# Altium PCB MainBoard_v1.PcbDoc (part 1 of 2) (continued)
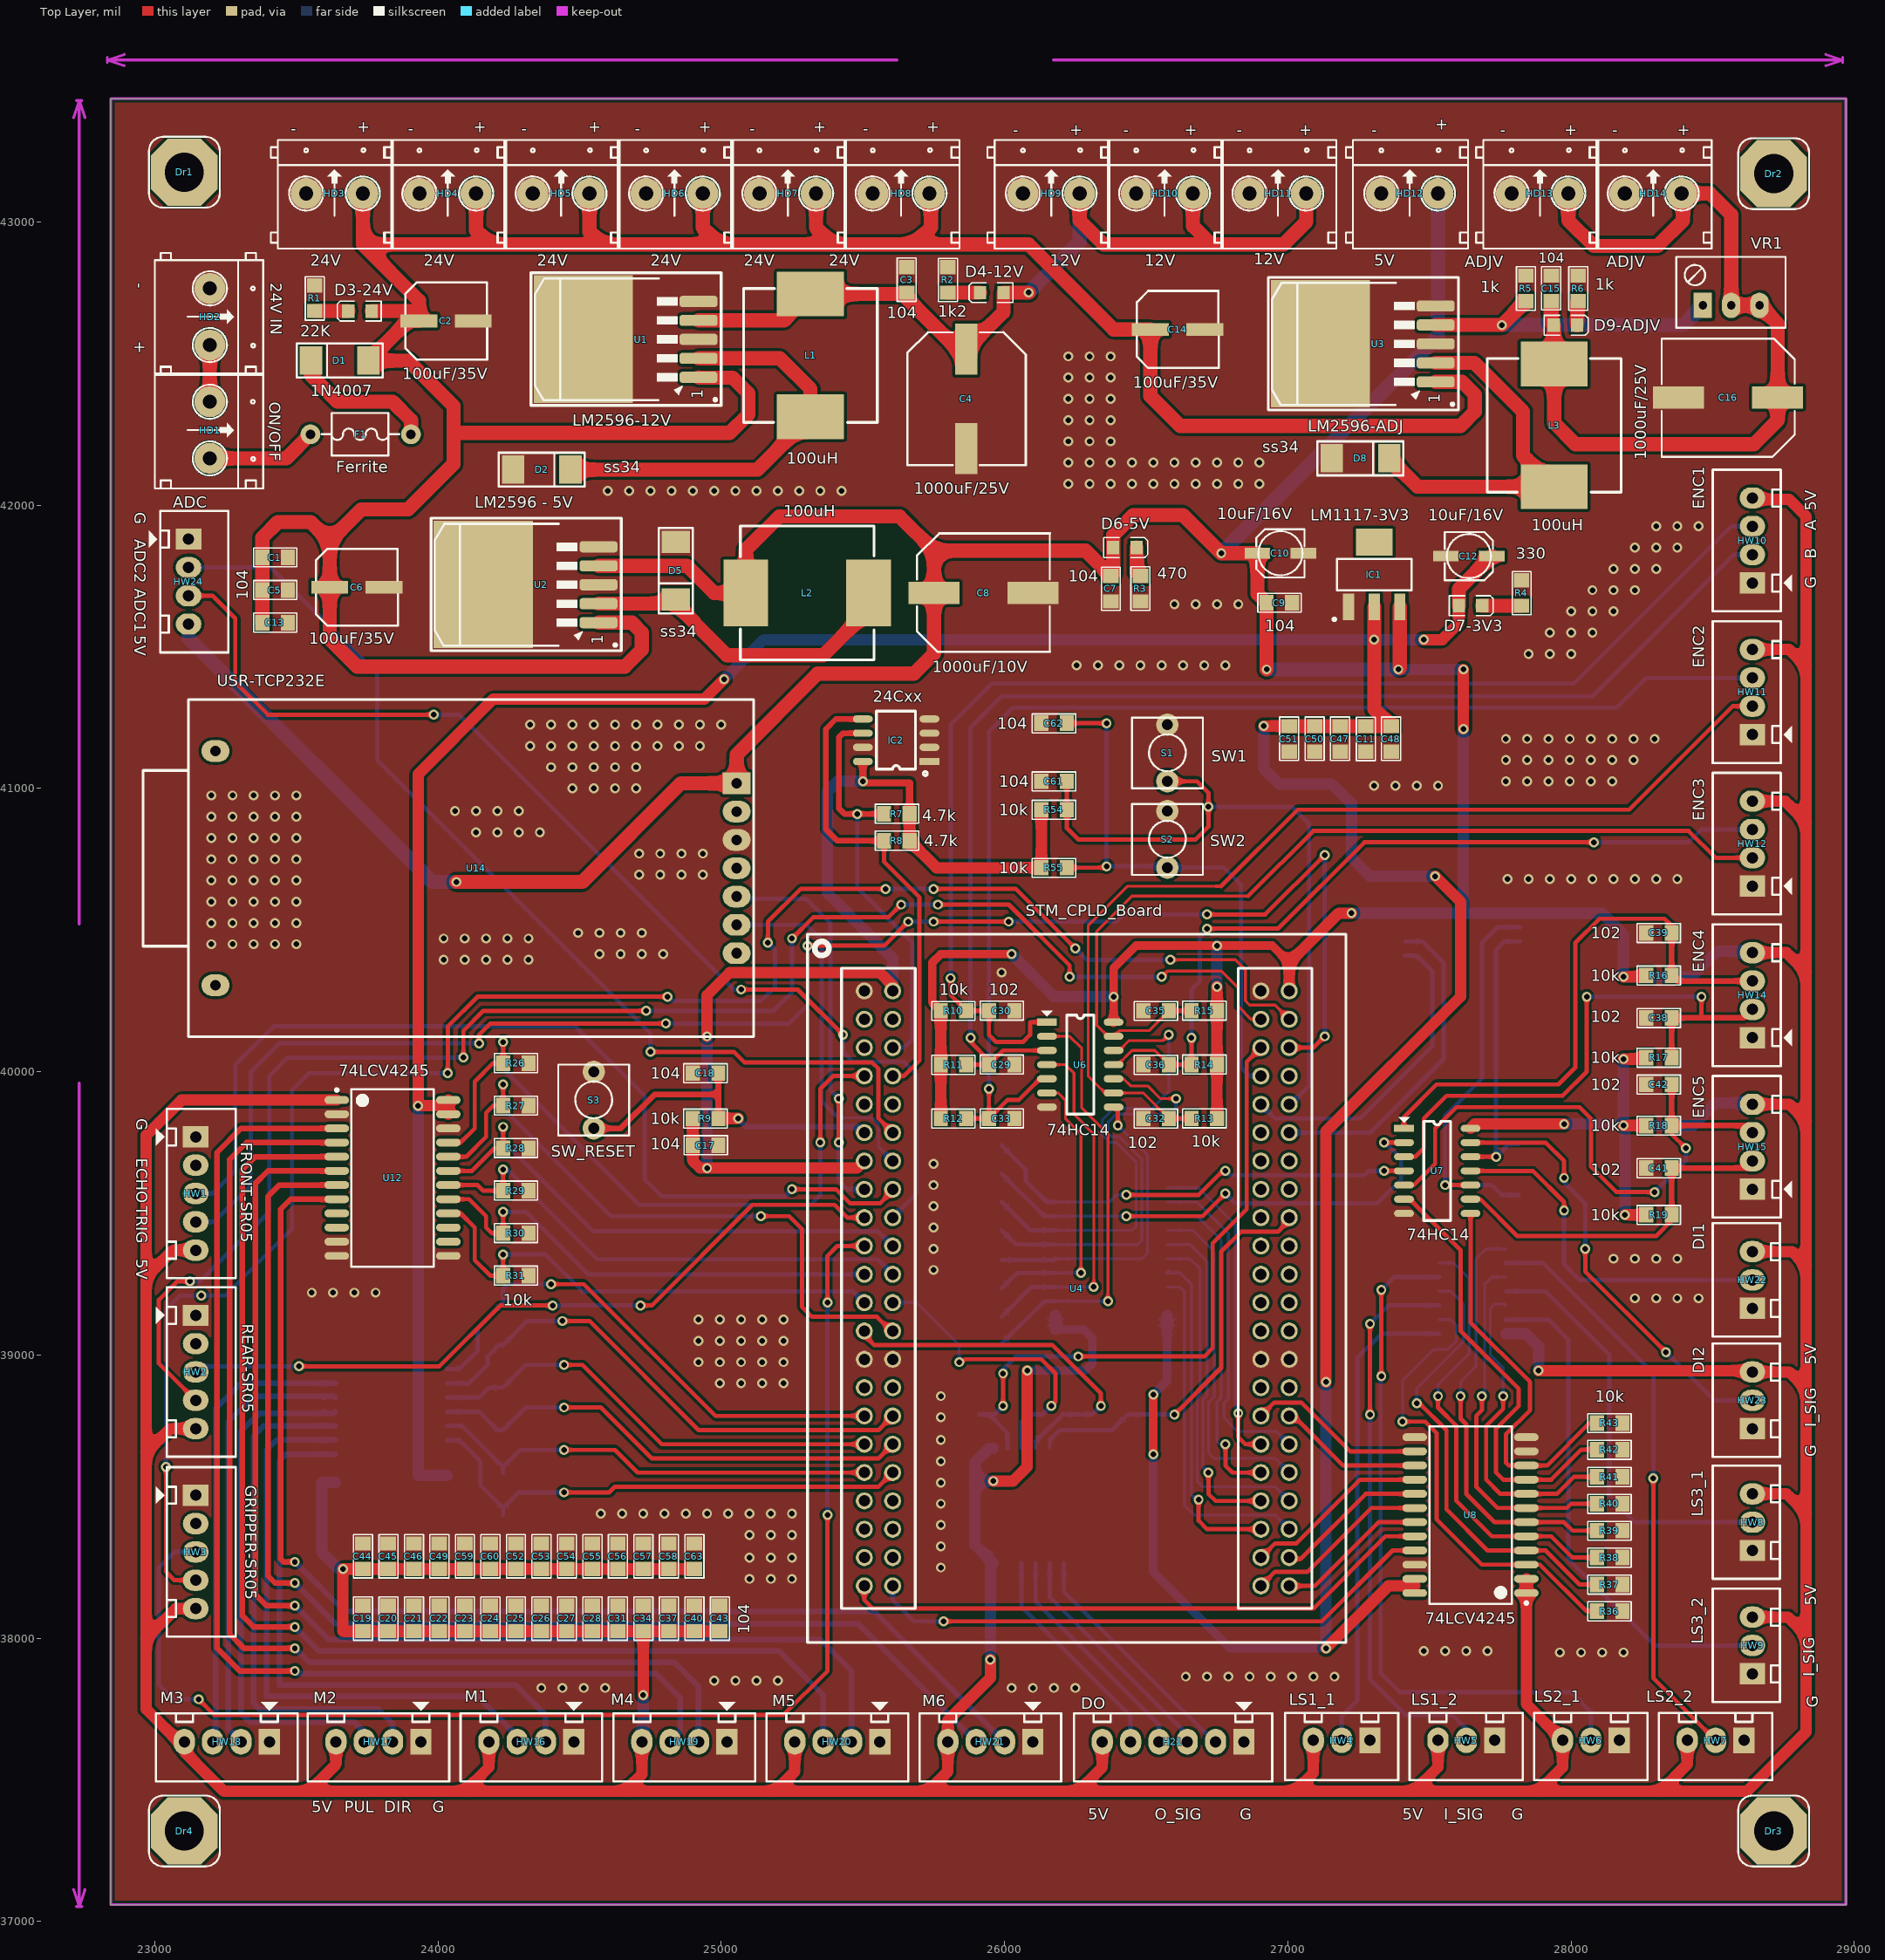
[diagram p0: Top Layer view]
## Components (designator, comment, footprint, x,y, rotation, side; value= is the part's Value field where it differs from the comment) (continued)
D9-ADJV "LED" LED_0805_Blue 27980,42635 r0 top (schematic designator D9)
Dr1 "Drill" "Drill 3mm" 23105,43175 r0 top
Dr2 "Drill" "Drill 3mm" 28715,43170 r0 top
Dr3 "Drill" "Drill 3mm" 28715,37320 r0 top
Dr4 "Drill" "Drill 3mm" 23105,37320 r0 top
F1 "Ferrite" Ferrite 23550,42250 r0 top
H21 "DO" "Header White 6" 26845,37635 r180 top value="Header white 6"
HD1 "ON/OFF" "Domino 2" 23195,42365 r270 top value="Domino 2"
HD2 "24V IN" "Domino 2" 23195,42765 r270 top value="Domino 2"
HD3 "24V" "Domino 2" 23535,43100 r0 top value="Domino 2"
HD4 "24V" "Domino 2" 23935,43100 r0 top value="Domino 2"
HD5 "24V" "Domino 2" 24335,43100 r0 top value="Domino 2"
HD6 "24V" "Domino 2" 24735,43100 r0 top value="Domino 2"
HD7 "24V" "Domino 2" 25135,43100 r0 top value="Domino 2"
HD8 "24V" "Domino 2" 25535,43100 r0 top value="Domino 2"
HD9 "12V" "Domino 2" 26065,43100 r0 top value="Domino 2"
HD10 "12V" "Domino 2" 26465,43100 r0 top value="Domino 2"
HD11 "12V" "Domino 2" 26865,43100 r0 top value="Domino 2"
HD12 "5V" "Domino 2" 27330,43100 r0 top value="Domino 2"
HD13 "ADJV" "Domino 2" 27790,43100 r0 top value="Domino 2"
HD14 "ADJV" "Domino 2" 28190,43100 r0 top value="Domino 2"
HW1 "FRONT-SR05" "Header White 5" 23145,39770 r270 top value="Header white 5"
HW2 "REAR-SR05" "Header White 5" 23145,39140 r270 top value="Header white 5"
HW3 "GRIPPER-SR05" "Header White 5" 23145,38505 r270 top value="Header white 5"
HW4 "LS1_1" "Header White 3" 27290,37640 r180 top value="Connector 3"
HW5 "LS1_2" "Header White 3" 27730,37640 r180 top value="Connector 3"
HW6 "LS2_1" "Header White 3" 28170,37640 r180 top value="Connector 3"
HW7 "LS2_2" "Header White 3" 28610,37640 r180 top value="Connector 3"
HW8 "LS3_1" "Header White 3" 28640,38310 r90 top value="Connector 3"
HW9 "LS3_2" "Header White 3" 28640,37875 r90 top value="Connector 3"
HW10 "ENC1" "Header White 4" 28640,41725 r90 top value="Header white 4"
HW11 "ENC2" "Header White 4" 28640,41190 r90 top value="Header white 4"
HW12 "ENC3" "Header White 4" 28640,40655 r90 top value="Header white 4"
HW14 "ENC4" "Header White 4" 28640,40120 r90 top value="Header white 4"
HW15 "ENC5" "Header White 4" 28640,39585 r90 top value="Header white 4"
HW16 "M1" "Header White 4" 24480,37635 r180 top value="Header white 4"
HW17 "M2" "Header White 4" 23940,37635 r180 top value="Header white 4"
HW18 "M3" "Header White 4" 23405,37635 r180 top value="Header white 4"
HW19 "M4" "Header White 4" 25020,37635 r180 top value="Header white 4"
HW20 "M5" "Header White 4" 25560,37635 r180 top value="Header white 4"
HW21 "M6" "Header White 4" 26100,37635 r180 top value="Header white 4"
HW22 "DI1" "Header White 3" 28640,39165 r90 top value="Connector 3"
HW23 "DI2" "Header White 3" 28640,38740 r90 top value="Connector 3"
HW24 "ADC" "Header White 4" 23120,41880 r270 top value="Header white 4"
IC1 "LM1117-3V3" SOT223-4N 27305,41755 r90 top value=LM317
IC2 "24Cxx" SOIC8 25735,41095 r180 top
L1 "100uH" INDUCTOR_SMD 25315,42311.93 r90 top value="150 mH"
L2 "100uH" INDUCTOR_SMD 25520,41690 r180 top value="150 mH"
L3 "100uH" INDUCTOR_SMD 27940,42065 r90 top value="150 mH"
R1 "22K" RES-SM-0805 23565,42685 r90 top
R2 "1k2" RES-SM-0805 25800,42750 r90 top
R3 "470" RES-SM-0805 26480,41750 r270 top
R4 "330" RES-SM-0805 27825,41645 r90 top
R5 "1k" RES-SM-0805 27840,42720 r90 top
R6 "1k" RES-SM-0805 28025,42720 r90 top
R7 "4.7k" RES-SM-0805 25665,40910 r180 top
R8 "4.7k" RES-SM-0805 25665,40815 r180 top
R9 "10k" RES-SM-0805 24900,39835 r0 top
R10 "10k" RES-SM-0805 25775,40215 r0 top
R11 "10k" RES-SM-0805 25775,40025 r0 top
R12 "10k" RES-SM-0805 25775,39835 r0 top
R13 "10k" RES-SM-0805 26750,39835 r180 top
R14 "10k" RES-SM-0805 26750,40025 r180 top
R15 "10k" RES-SM-0805 26750,40215 r180 top
R16 "10k" RES-SM-0805 28265,40340 r0 top
R17 "10k" RES-SM-0805 28265,40050 r0 top
R18 "10k" RES-SM-0805 28265,39810 r0 top
R19 "10k" RES-SM-0805 28265,39495 r0 top
R20 "10k" RES-SM-0805 24320,38435 r180 bottom
R21 "10k" RES-SM-0805 24320,38585 r180 bottom
R22 "10k" RES-SM-0805 24320,38735 r180 bottom
R23 "10k" RES-SM-0805 24320,38885 r180 bottom
R24 "10k" RES-SM-0805 24320,39035 r180 bottom
R25 "10k" RES-SM-0805 24320,39185 r180 bottom
R26 "10k" RES-SM-0805 24320,40030 r180 top
R27 "10k" RES-SM-0805 24320,39880 r180 top
R28 "10k" RES-SM-0805 24320,39730 r180 top
R29 "10k" RES-SM-0805 24320,39580 r180 top
R30 "10k" RES-SM-0805 24320,39430 r180 top
R31 "10k" RES-SM-0805 24320,39280 r180 top
R32 "10k" RES-SM-0805 25910,38790 r90 bottom
R33 "10k" RES-SM-0805 26085,38790 r90 bottom
R34 "10k" RES-SM-0805 26260,38790 r90 bottom
R35 "10k" RES-SM-0805 26435,38790 r90 bottom
R36 "10k" RES-SM-0805 28091,38096 r0 top
R37 "10k" RES-SM-0805 28091,38190 r0 top
R38 "10k" RES-SM-0805 28091,38285 r0 top
R39 "10k" RES-SM-0805 28091,38380 r0 top
R40 "10k" RES-SM-0805 28091,38475 r0 top
R41 "10k" RES-SM-0805 28091,38570 r0 top
R42 "10k" RES-SM-0805 28091,38666 r0 top
R43 "10k" RES-SM-0805 28091,38760 r0 top
R44 "10k" RES-SM-0805 25990,39040 r180 bottom
R45 "10k" RES-SM-0805 25990,39135 r180 bottom
R46 "10k" RES-SM-0805 25990,39235 r180 bottom
R47 "10k" RES-SM-0805 25990,39335 r180 bottom
R48 "10k" RES-SM-0805 25990,39440 r180 bottom
R49 "10k" RES-SM-0805 25990,39540 r180 bottom
R50 "10k" RES-SM-0805 25990,39640 r180 bottom
R51 "10k" RES-SM-0805 25990,39740 r180 bottom
R52 "10k" RES-SM-0805 27815,39565 r0 bottom
R53 "10k" RES-SM-0805 27815,39745 r0 bottom
R54 "10k" RES-SM-0805 26130,40925 r0 top
R55 "10k" RES-SM-0805 26130,40720 r0 top
S1 "SW1" SW2 26575,41225 r270 top
S2 "SW2" SW2 26575,40920 r270 top
S3 "SW_RESET" SW2 24550,40000 r270 top
U1 "LM2596-12V" TO263 24920,42451.14 r90 top
U2 "LM2596 - 5V" TO263 24567,41585 r90 top
U3 "LM2596-ADJ" TO263 27522,42435 r90 top
U4 "STM_CPLD_Board" STM_CPLD_Board 25505,40285 r0 top
U5 "74HC14" SOIC14 27535,39075 r0 bottom
U6 "74HC14" SOIC14 26150,40175 r0 top
U7 "74HC14" SOIC14 27410,39800 r0 top
U8 "74LCV4245" "SOIC24 - wide" 27645,38435 r180 top
U9 "74LCV4245" "SOIC24 - wide" 26376.85,39365 r0 bottom
U10 "74HCT245" soic20 27820,40560 r180 bottom
U11 "74LCV4245" "SOIC24 - wide" 23835,38825 r0 bottom
U12 "74LCV4245" "SOIC24 - wide" 23840,39625 r0 top
U13 "74HCT245" soic20 25960,38670 r270 bottom
U14 "USR-TCP232E" USR-TCP232E 25054.37,41018.39 r270 top
VR1 "10K" VR1 28465,42705 r0 top value="VR 10K"

## Footprints (in the part's own frame and the unit in brackets; to place one, negate y for a bottom-side part, rotate by r counter-clockwise, add the part's x,y. Pads: shape width x height; smd on the part's side, far side on the other; paste and mask are expansions set on the pad)
CAP-SM-0805 [mil]
  rect 50x55 smd: 1(0,0) 2(90,0)
  silkscreen extent -32,-34 121,33, body extent 6,-18 84,17, height 47
CAP_ALU_B [mil] "10uF -> 22uF"
  rect 90x38 smd: 1(0,0) 2(162,0)
  silkscreen extent -4,-85 166,85, body extent -10,-85 172,85, height 213
Cap_Alu_D8 [mil] "100uF -> 220uF"
  rect 130x45 smd: 1(34,0) 2(226,0)
  silkscreen extent -14,-136 275,136, body extent -8,-130 268,130, height 303
Cap_Alu_G [mil]
  rect 180x78 smd: 1(334,0) 2(-16,0)
  silkscreen extent -75,-210 394,208, body extent -68,-204 388,202, height 402
DO-214AB [mm]
  rect 2x2.54 smd: 1(-2.616,0.127) 2(2.54,0.127)
  silkscreen extent -3.89,-1.4 3.81,1.65, body extent -2.62,-1.27 2.87,1.52, height 2.36
"Domino 2" [mil] "Domino 2, 2 pin, hight 300mil, Pin to Pin 200, Colour Green"
  round 110 hole 50: 1(0,0) 2(200,0)
  silkscreen extent -125,-195 306,189, body extent -121,-190 301,184, height 591
"Drill 3mm" [mm]
  oct 6x6 hole 3.5: 1(0,0)
  silkscreen extent -3.17,-3.17 3.17,3.17
Ferrite [mil] "Ferrite Bead RH3.5x6x0.8"
  round 70 hole 33.46: 1(0,0) 2(355,0)
  silkscreen extent 39,-75 314,75, body extent -12,-71 368,71, height 150
"Header White 3" [mil] "JST Connector"
  rect 75x90 hole 40: 1(0,0)
  oval 75x90 hole 40: 2(100,0) 3(200,0)
  silkscreen extent -100,-97 300,140, body extent -95,-93 295,134, height 276
"Header White 4" [mil] "JST Connector"
  rect 75x90 hole 40: 1(0,0)
  oval 75x90 hole 40: 2(100,0) 3(200,0) 4(300,0)
  silkscreen extent -100,-140 400,140, body extent -94,-94 394,133, height 276
"Header White 5" [mil] "JST Connector"
  rect 75x90 hole 40: 1(0,0)
  oval 75x90 hole 40: 2(100,0) 3(200,0) 4(300,0) 5(400,0)
  silkscreen extent -99,-140 499,142, body extent -93,-97 494,136, height 281
"Header White 6" [mil] "JST Connector"
  rect 75x90 hole 40: 1(0,0)
  oval 75x90 hole 40: 2(100,0) 3(200,0) 4(300,0) 5(400,0) 6(500,0)
  silkscreen extent -100,-140 600,140, body extent -93,-93 593,133, height 276
INDUCTOR_SMD [mm] "100uH/3A SMD 12x12x8mm inductor"
  rect 4x6 smd: 1(0,0) 2(11,0)
  silkscreen extent -0.5,-6 11.5,6, body extent -0.5,-6 11.5,6, height 10
LED_0805_Blue [mm] "Chip LED, 2-Leads, Body 2.0x1.3mm, IPC Medium Density"
  rect 1.1x1.2 smd: 1(-1.05,0) 2(1.05,0)
  silkscreen extent -1.91,-0.89 2.03,0.89, body extent -1.01,-0.62 1.01,0.63, height 1.1
RES-SM-0805 [mil]
  rect 50x55 smd: 1(0,0) 2(90,0)
  silkscreen extent -32,-34 121,33, body extent 6,-25 84,24, height 10
SOIC8 [mil]
  rect 70x25 smd: 1(0,0)
  oval 70x25 smd: 2(0,-50) 3(0,-100) 4(0,-150) 5(235,-150) 6(235,-100) 7(235,-50) 8(235,0)
  silkscreen extent 8,-178 187,50, body extent -1,-171 235,21, height 69
SOIC14 [mil]
  rect 70x25 smd: 1(0,0)
  oval 70x25 smd: 2(0,-50) 3(0,-100) 4(0,-150) 5(0,-200) 6(0,-250) 7(0,-300) 8(235,-300) 9(235,-250) 10(235,-200) 11(235,-150) 12(235,-100) 13(235,-50) 14(235,0)
  silkscreen extent -20,-325 165,40, body extent -1,-323 235,23, height 67
soic20 [mil]
  rect 85x25 smd: 1(0,0)
  oval 85x25 smd: 2(0,-50) 3(0,-100) 4(0,-150) 5(0,-200) 6(0,-250) 7(0,-300) 8(0,-350) 9(0,-400) 10(0,-450) 11(405,-450) 12(405,-400) 13(405,-350) 14(405,-300) 15(405,-250) 16(405,-200) 17(405,-150) 18(405,-100) 19(405,-50) 20(405,0)
  silkscreen extent -20,-475 322,40, body extent 0,-473 410,23, height 102
"SOIC24 - wide" [mm] "SOIC, 24-Leads, Body 15.4x7.5mm, Pitch 1.27mm, IPC Low Density"
  oval 2.2x0.7 smd: 1(-5,6.985) 2(-5,5.715) 3(-5,4.445) 4(-5,3.175) 5(-5,1.905) 6(-5,0.635) 7(-5,-0.635) 8(-5,-1.905) 9(-5,-3.175) 10(-5,-4.445) 11(-5,-5.715) 12(-5,-6.985) 13(5,-6.985) 14(5,-5.715) 15(5,-4.445) 16(5,-3.175) 17(5,-1.905) 18(5,-0.635) 19(5,0.635) 20(5,1.905) 21(5,3.175) 22(5,4.445) 23(5,5.715) 24(5,6.985)
  silkscreen extent -5.13,-7.95 3.7,8.01, body extent -5.15,-7.8 5.15,7.8, height 2.65
SOT223-4N [mm] "SOT223, 4-Leads, Body 6.5x3.5mm, Pitch 2.3mm, Lead Span 7mm, IPC Medium Density"
  rect 2.4x1 smd: 1(-2.9,2.3) 2(-2.9,0) 3(-2.9,-2.3)
  rect 2.4x3.3 smd: 4(2.9,0)
  silkscreen extent -4.14,-3.35 1.4,3.71, body extent -3.39,-3.27 3.5,3.23, height 1.72
STM_CPLD_Board [mil] "Stm32f4 and Max2 520 on one board"
  round 60 hole 40: 1(0,0) 2(0,-100) 3(0,-200) 4(0,-300) 5(0,-400) 6(0,-500) 7(0,-600) 8(0,-700) 9(0,-800) 10(0,-900) 11(0,-1000) 12(0,-1100) 13(0,-1200) 14(0,-1300) 15(0,-1400) 16(0,-1500) 17(0,-1600) 18(0,-1700) 19(0,-1800) 20(0,-1900) 21(0,-2000) 22(0,-2100) 23(100,-2100) 24(100,-2000) 25(100,-1900) 26(100,-1800) 27(100,-1700) 28(100,-1600) 29(100,-1500) 30(100,-1400) 31(100,-1300) 32(100,-1200) 33(100,-1100) 34(100,-1000) 35(100,-900) 36(100,-800) 37(100,-700) 38(100,-600) 39(100,-500) 40(100,-400) 41(100,-300) 42(100,-200) 43(100,-100) 44(100,0) 45(1400,0) 46(1400,-100) 47(1400,-200) 48(1400,-300) 49(1400,-400) 50(1400,-500) 51(1400,-600) 52(1400,-700) 53(1400,-800) 54(1400,-900) 55(1400,-1000) 56(1400,-1100) 57(1400,-1200) 58(1400,-1300) 59(1400,-1400) 60(1400,-1500) 61(1400,-1600) 62(1400,-1700) 63(1400,-1800) 64(1400,-1900) 65(1400,-2000) 66(1400,-2100) 67(1500,-2100) 68(1500,-2000) 69(1500,-1900) 70(1500,-1800) 71(1500,-1700) 72(1500,-1600) 73(1500,-1500) 74(1500,-1400) 75(1500,-1300) 76(1500,-1200) 77(1500,-1100) 78(1500,-1000) 79(1500,-900) 80(1500,-800) 81(1500,-700) 82(1500,-600) 83(1500,-500) 84(1500,-400) 85(1500,-300) 86(1500,-200) 87(1500,-100) 88(1500,0)
  silkscreen extent -200,-2300 1700,200
SW2 [mm] "SW button 2pin, 250x 250 mil"
  round 2 hole 1: 1(0,0) 2(5.08,0)
  silkscreen extent -0.64,-3.17 5.72,3.18, body extent -0.51,-3.05 5.59,3.05, height 4.2
TO263 [mm]
  rect 11.43x8.89 smd: 0(3.429,10.338)
  rrect50% 1x3.4 smd: 1(0,0) 2(1.7,0) 4(5.1,0) 5(6.8,0)
  rrect50% 1x3.4 smd mask+0: 3(3.4,0)
  silkscreen extent -2.51,-2.03 9.37,15.01, body extent -1.68,-0.86 8.48,13.78, height 4.57
USR-TCP232E [mm]
  rect 1.95x2.5 hole 0.95: 1(0,0)
  oval 1.95x2.5 hole 0.95: 2(2.54,0) 3(5.08,0) 4(7.62,0) 5(10.16,0) 6(12.7,0) 7(15.24,0) 8(-2.88,-46.72) 9(18.12,-46.72)
  silkscreen extent -7.49,-53.21 22.73,1.52
VR1 [mil] "Variable Resistor"
  rect 65x90 hole 30: 1(0,0)
  oval 65x90 hole 30: 2(100,0) 3(200,0)
  silkscreen extent -94,-79 292,171, body extent -89,-74 287,166, height 455

## Part data
C1 C3 C5 C7 C9 C11 C13 C15 C17 C18 C19 C20 C21 C22 C23 C24 C25 C26 C27 C28 C29 C30 C31 C32 C33 C34 C35 C36 C37 C38 C39 C40 C41 C42 C43 C44 C45 C46 C47 C48 C49 C50 C51 C52 C53 C54 C55 C56 C57 C58 C59 C60 C61 C62 C63: library part CAP_SM_0805, "Ceramic Capacitor SMD"
C2 C4 C6 C8 C10 C12 C14 C16: library part Cap_SM_Alu, "SMD Aluminum Electrolytic Capacitor", Size A="2.2uF/35V, 3.3uF/35V, 4.7uF/25V", Size B="1uF/50V, 10uF/16V, 22uF/16V", Size C=33uF/16V, Size D="47uF/25V, 100uF/16V,", Size D8="100uF/35V, 220uF/16V, 330uF/6.3V", Size F=470uF/16V, Size G="330uF/35V, 680uF/16V, 1000uF/10V"
D1: library part Diode, "General Rectifier", Link=http://www.tme.vn/Product.aspx?id=769#page=pro_info
D2 D5 D8: "Surface Mount Schottky Barrier Rectifier"
D3-24V D4-12V D6-5V D7-3V3 D9-ADJV: library part LED_SMD, "LED SMD"
Dr1 Dr2 Dr3 Dr4: library part "Drill 3mm", "Drill 3mm"
F1: library part "Ferrite bead", "Ferrite bead"
H21: library part "Header white 6", "Header white 6"
HD1 HD2 HD3 HD4 HD5 HD6 HD7 HD8 HD9 HD10 HD11 HD12 HD13 HD14: library part "Domino 2", "Domino 2 200mil"
HW1 HW2 HW3: library part "Header white 5", "Header white 5"
HW4 HW5 HW6 HW7 HW8 HW9 HW22 HW23: library part "Header white 3", "Connector 3"
HW10 HW11 HW12 HW14 HW15 HW16 HW17 HW18 HW19 HW20 HW21 HW24: library part "Header white 4", "Header white 4"
IC1: library part LM1117, "Available in 1.8V, 2.5V, 2.85V, 3.3V, 5V, and  Adjustable Versions"
IC2: "Standard 2-Wire Bus Interface Serial EEPROM", Copyright by=VanDungEvn
L1 L2 L3: library part L1, "Inductor"
R1 R2 R3 R4 R5 R6 R7 R8 R9 R10 R11 R12 R13 R14 R15 R16 R17 R18 R19 R20 R21 R22 R23 R24 R25 R26 R27 R28 R29 R30 R31 R32 R33 R34 R35 R36 R37 R38 R39 R40 R41 R42 R43 R44 R45 R46 R47 R48 R49 R50 R51 R52 R53 R54 R55: library part Res-SMD, "Resistor", Manufacturer="Generic Components", Class=Passive, Published=08/06/2000, Publisher="Altium Hobart Technology Centre"
S1 S2 S3: library part "SW - 2Pin", "Switch button 2 pin"
U1 U2 U3: library part LM2596, "SIMPLE SWITCHER® Power Converter 150-kHz - 3A Step-Down Voltage Regulator", Max Input Voltage="12 V", Max Output Current="3 (6.0 peak) A", Max Output Voltage=mV, Temperature Range="-40 to +125 degC", Category=IC-Power, Min Input Voltage=mV, Min Output Voltage=mV, Mounting Technology="Surface Mount", Status=Unreleased, Supply Voltage=mV
U4: "STM32f4 and Max2 570 on one board"
U5 U6 U7: "Hex Inverters With SCHMITT-TRIGGER Inputs"
U8 U9 U11 U12: "Octal dual supply translating transceiver; 3-state"
U10 U13: library part 74HC245, "Octal bus tranceiver", Link=http://tme.vn/Product.aspx?id=1404#page=pro_info
U14: library part Component_1
VR1: library part VR1, "Var Resistor"

## Via types
v1: diameter 35, hole 20, Top Layer to Bottom Layer, 462 vias

## Nets (pads, with @x,y where several pads share a name; then routed paths per layer and width w, separated by ;. In a path a pad name is that pad's centre, name@x,y a point inside that pad or via, vN(x,y) a via of type N, cw(c..) or ccw(c..) an arc to the next point about the centre after c; other vN are vias at no path point)
3V3: C11.2 C12.1 C47.1 C48.1 C50.1 C51.1 D7-3V3.1 IC1.2 U8.23 U8.24 U9.23 U9.24 U11.23 U11.24 U12.23 U12.24 | length 13850.9
  Top Layer w30: v1(26525,38650) v1(26525,38860)
  Top Layer w40: U12.23@24036.85,39850 U12.24@24036.85,39900 24016.85,39880 v1(23930,39880) 23930,41050 24195,41315 24940,41315 v1(25010,41385) ; v1(26915,41220) C51.1@27005,41220 ; v1(27135,37965) 27355,38185 27448.15,38185 ; v1(27135,38905) 27135,39790 27610,40265 27610,40600 v1(27520,40690) ; v1(27480,41525) 27545,41525 27603.66,41583.66 D7-3V3.1@27603.66,41645
  Top Layer w50: C51.1@27005,41220 C50.1@27095,41220 C47.1@27185,41220 C11.2@27275,41220 C48.1@27365,41220 27305,41280 v1(27305,41525) IC1.2@27305,41640.83 ; D7-3V3.1@27603.66,41645 27603.66,41703.66 C12.1@27720,41820
  Bottom Layer w30: v1(26525,38650) 26525,38235 26795,37965 v1(27135,37965) ; v1(26525,38860) 26573.7,38908.7 U9.24@26573.7,39090
  Bottom Layer w40: v1(23930,39880) 23930,38575 24031.85,38575 ; v1(25010,41385) 25150,41525 v1(27305,41525) v1(27480,41525) ; U9.24@26573.7,39090 U9.23@26573.7,39140 ; v1(26915,41220) 26915,41070 26970,41015 27155,41015 27225,40945 27225,40755 27290,40690 v1(27520,40690) ; v1(27135,37965) v1(27135,38905)
3Vo3: C17.2 IC2.8 R7.1 R8.1 R9.1 R54.1 R55.1 U4.7 U4.44 | length 4206.6
  Top Layer w25: IC2.8@25500,41095 v1(25500,41025) 25500,41020 25665,41020 R7.1@25665,40910
  Top Layer w40: R9.1@24900,39835 C17.2@24900,39740 24900,39685 24925,39660 v1(24950,39660) 25480,39660 U4.7@25505,39685 ; v1(24950,40125) 24950,40270 25030,40350 25560,40350 25605,40305 U4.44@25605,40285 ; R7.1@25665,40910 R8.1@25665,40815 25760,40720 R55.1@26130,40720 R54.1@26130,40925
  Bottom Layer w40: v1(24950,39660) v1(24950,40125) ; v1(25500,41025) 25410,41025 25375,40990 25375,40630 25605,40400 U4.44@25605,40285
5V: C7.2 C8.1 C9.2 C10.1 C19.1 C20.1 C21.1 C22.1 C23.1 C24.1 C25.1 C26.1 C27.1 C28.1 C31.1 C34.1 C37.1 C40.1 C43.1 C44.1 C45.1 C46.1 C49.1 C52.1 C53.1 C54.1 C55.1 C56.1 C57.1 C58.1 C59.1 C60.1 C63.1 D6-5V.1 H21.6 HD12.2 HW1.5 HW2.5 HW3.5 HW4.3 HW5.3 HW6.3 HW7.3 HW8.3 HW9.3 HW10.4 HW11.4 HW12.4 HW14.4 HW15.4 HW16.4 HW17.4 HW18.4 HW19.4 HW20.4 HW21.4 HW22.3 HW23.3 HW24.4 IC1.3 L2.2 R10.1 R11.1 R12.1 R13.1 R14.1 R15.1 R16.1 R17.1 R18.1 R19.1 U2.4 U4.88 U5.14 U6.14 U7.14 U8.1 U8.2 U9.1 U9.2 U10.1 U10.20 U11.1 U12.1 U13.1 U13.20 U14.1 | length 42380.3
  Top Layer w15: v1(27390,41420) v1@27395.55,41425.55
  Top Layer w30: R10.1@25775,40215 25745,40245 25745,40385 25775,40415 v1(26025,40415) ; U6.14@26385,40178.03 v1(26385,40265) 26385,40365 26465,40445 v1(26750,40445) 26945,40445 27005,40385
  Top Layer w40: HW3.5@23145,38105 23075,38105 22970,38000 ; HW2.5@23145,38740 23055,38740 22970,38655 ; HW1.5@23145,39370 23065,39370 22970,39275 ; HW17.4@23640,37635 23640,37555 23545,37460 ; U12.1@23643.15,39900 23095,39900 22970,39775 22970,39275 ; HW16.4@24180,37635 24180,37545 24095,37460 ; HW19.4@24720,37635 24720,37520 24660,37460 ; v1(24725,37800) C34.1@24725,38025 ; C63.1@24905,38245 C58.1@24815,38245 C57.1@24725,38245 C56.1@24635,38245 C55.1@24545,38245 C54.1@24455,38245 C53.1@24365,38245 C52.1@24275,38245 C60.1@24185,38245 C59.1@24095,38245 C49.1@24005,38245 C46.1@23915,38245 C45.1@23825,38245 C44.1@23735,38245 v1(23665,38245) 23665,38025 C19.1@23735,38025 C20.1@23825,38025 C21.1@23915,38025 C22.1@24005,38025 C23.1@24095,38025 C24.1@24185,38025 C25.1@24275,38025 C26.1@24365,38025 C27.1@24455,38025 C28.1@24545,38025 C31.1@24635,38025 C34.1@24725,38025 ; C43.1@24995,38025 C40.1@24905,38025 C37.1@24815,38025 C34.1@24725,38025 ; HW20.4@25260,37635 25260,37530 25190,37460 ; R12.1@25775,39835 R11.1@25775,40025 R10.1@25775,40215 ; v1(25950,37925) 25950,37860 25800,37710 HW21.4@25800,37635 25800,37530 25730,37460 ; v1(25960,38555) 26030,38555 26080,38605 v1(26080,38945) ; H21.6@26345,37635 26345,37545 26260,37460 ; U6.14@26385,40178.03 U6.14@26389.47,40182.5 ; R13.1@26750,39835 R14.1@26750,40025 R15.1@26750,40215 v1(26750,40300) ; U4.88@27005,40285 27005,40385 27180,40560 v1(27225,40560) ; HW4.3@27090,37640 27090,37525 27025,37460 ; HW5.3@27530,37640 27530,37545 27445,37460 ; v1(27620,41210) v1(27620,41420) ; U7.14@27645,39800 27660,39815 v1(27975,39815) ; U8.2@27841.85,38210 U8.1@27841.85,38160 27841.85,37768.15 HW6.3@27970,37640 27970,37545 27885,37460 ; v1(27885,38945) 28635,38945 HW23.3@28640,38940 28770,38940 28830,38880 ; v1(28185,39810) R18.1@28265,39810 ; v1(28185,40045) 28260,40045 R17.1@28265,40050 ; v1(28185,40335) 28260,40335 R16.1@28265,40340 ; v1(28190,39495) R19.1@28265,39495 ; HW7.3@28410,37640 28410,37555 28315,37460 ; HW9.3@28640,38075 28765,38075 28830,38010 ; HW8.3@28640,38510 28760,38510 28830,38440 ; HW22.3@28640,39365 28780,39365 28830,39315 ; HW15.4@28640,39885 28770,39885 28830,39825 ; HW14.4@28640,40420 28760,40420 28830,40350 ; HW12.4@28640,40955 28755,40955 28830,40880 ; HW11.4@28640,41490 28770,41490 28830,41430 ; HW10.4@28640,42025 28645,42020 28770,42020 28830,41960 28830,41430 ; 22970,38000 22970,37750 23085,37635 HW18.4@23105,37635 23105,37600 23245,37460 23545,37460 ; 22970,38000 22970,38655 ; 22970,38655 22970,39275 ; 23545,37460 24095,37460 ; 24095,37460 24660,37460 ; 24660,37460 25190,37460 ; 25190,37460 25730,37460 ; 25730,37460 26260,37460 ; 26260,37460 27025,37460 ; 27025,37460 27445,37460 ; 27445,37460 27885,37460 ; 27885,37460 28315,37460 ; 28315,37460 28620,37460 28830,37670 28830,38010 ; 28830,38010 28830,38440 ; 28830,38440 28830,38880 ; 28830,38880 28830,39315 ; 28830,39315 28830,39825 ; 28830,39825 28830,40350 ; 28830,40350 28830,40880 ; 28830,40880 28830,41430
  Top Layer w50: v1(24065,40670) 24510,40670 24858.39,41018.39 U14.1@25054.37,41018.39 25054.37,41119.37 25340,41405 25680,41405 25751,41476 C8.1@25751,41690 25751,41839 ; U2.4@24567,41785.79 24879.21,41785.79 24975,41690 L2.2@25086.93,41690 25086.93,41841.93 25205,41960 25630,41960 25751,41839 ; v1(26925,41420) C9.2@26925,41655 26893,41687 C10.1@26893,41830 v1(26765,41830) 26630,41965 26455,41965 26383.66,41893.66 D6-5V.1@26383.66,41850 26383.66,41758.66 C7.2@26375,41750 26286,41839 25751,41839 ; v1@27395.55,41425.55 IC1.3@27395.55,41640.83
  Bottom Layer w30: v1(26080,38945) 26285,38945 26310,38970 26310,39060 26280,39090 U9.1@26180,39090
  Bottom Layer w40: U11.1@23638.15,38550 23590,38550 23590,38305 23650,38245 v1(23665,38245) ; HW19.4@24720,37635 24725,37640 v1(24725,37800) ; v1(25950,37925) 25950,38255 U13.20@25960,38265 25895,38330 25895,38555 ; v1(25960,38555) 25895,38555 ; U13.1@25960,38670 25945,38670 25895,38620 25895,38555 ; v1(26025,40415) 26175,40265 v1(26385,40265) ; U9.1@26180,39090 U9.2@26180,39140 ; v1(26750,40300) v1(26750,40445) ; v1(27225,40560) U10.20@27415,40560 27617.5,40560 ; v1(27390,41420) v1(27620,41420) ; v1(27620,41210) 27620,40562.5 27617.5,40560 ; U5.14@27770,39075 27840,39075 27885,39030 v1(27885,38945) ; v1(27975,39815) 28180,39815 v1(28185,39810) ; v1(28185,40045) v1(28185,39810) ; v1(28190,39495) 28190,39805 v1(28185,39810) ; HW15.4@28640,39885 28635,39890 28510,39890 28430,39810 v1(28185,39810) ; HW14.4@28640,40420 28635,40425 28515,40425 28425,40335 v1(28185,40335) 28185,40485 28110,40560 U10.1@27820,40560 27617.5,40560
  Bottom Layer w50: HW24.4@23120,41580 23120,41530 23980,40670 v1(24065,40670) ; v1(26765,41830) 27530,42595 HD12.2@27530,43100 ; v1(26925,41420) v1(27390,41420)
12V: C3.2 C4.1 D4-12V.1 HD9.2 HD10.2 HD11.2 L1.2 U1.4 | length 3118.1
  Top Layer w50: U1.4@24920,42651.93 25221.93,42651.93 L1.2@25315,42745 25650,42745 C3.2@25655,42750 25655,42730 25835,42550 C4.1@25865,42550 25996.34,42681.34 D4-12V.1@25996.34,42750 v1(26085,42750) ; HD9.2@26265,43100 26265,43005 26350,42920 26730,42920 ; HD10.2@26665,43100 26665,42985 26730,42920 ; HD11.2@27065,43100 27065,43000 26985,42920 26730,42920
  Bottom Layer w50: v1(26085,42750) 26265,42930 HD9.2@26265,43100
24V: C1.2 C2.1 C5.2 C6.1 C13.2 C14.1 D1.2 D3-24V.1 HD3.2 HD4.2 HD5.2 HD6.2 HD7.2 HD8.2 U1.1 U2.1 U3.1 | length 11322.5
  Top Layer w50: C13.2@23380,41585 C5.2@23380,41700 C1.2@23380,41815 23380,41885 23435,41940 23551,41940 23618,41873 ; HD3.2@23735,43100 23735,42920 ; D3-24V.1@23766.34,42685 23898,42685 C2.1@23933,42650 ; HD4.2@24135,43100 24135,42970 24185,42920 ; HD5.2@24535,43100 24535,42965 24580,42920 ; U2.1@24567,41585 24685,41585 24720,41550 24720,41490 24660,41430 23715,41430 23618,41527 C6.1@23618,41710 23618,41873 ; U1.1@24920,42451.14 24921.14,42450 25040,42450 25095,42395 25095,42320 25030,42255 24060,42255 24055,42260 ; HD6.2@24935,43100 24935,42980 24995,42920 ; HD7.2@25335,43100 25335,42980 25395,42920 ; HD8.2@25735,43100 25740,43095 25740,42980 25680,42920 ; U3.1@27522,42435 27615,42435 27660,42390 27660,42330 27610,42280 26620,42280 26515,42385 C14.1@26515,42620 26385,42620 26085,42920 25680,42920 ; 23618,41873 23730,41985 23895,41985 24055,42145 24055,42260 ; 23735,42920 24185,42920 ; 23735,42920 23933,42722 C2.1@23933,42650 ; C2.1@23933,42650 23894.99,42650 D1.2@23755,42510.01 23894.99,42510.01 24055,42350 24055,42260 ; 24185,42920 24580,42920 ; 24580,42920 24995,42920 ; 24995,42920 25395,42920 ; 25395,42920 25680,42920
ADC12_IN4: HW24.3 U4.36 | length 3977.2
  Top Layer w15: HW24.3@23120,41680 23205,41680 23285,41600 23285,41375 23400,41260 v1(23985,41260) ; v1(25070,40290) 25270,40290 v1(25430,40130)
  Bottom Layer w15: v1(23985,41260) 24075,41260 25045,40290 v1(25070,40290) ; v1(25430,40130) 25430,40070 25465,40035 25645,40035 25690,39990 25690,39570 U4.36@25605,39485
ADC123_IN13: HW24.2 U4.39 | length 3630.6
  Top Layer w15: v1(24750,40070) 25045,40070 25082.5,40032.5 25532.5,40032.5 25555,40010 25555,39835 U4.39@25605,39785
  Bottom Layer w15: HW24.2@23120,41780 23410,41780 23785,41405 23785,41100 24750,40135 v1(24750,40070)
ADJV: C15.2 C16.1 D9-ADJV.1 HD13.2 HD14.2 L3.2 VR1.2 VR1.3 | length 3019.2
  Top Layer w50: C15.2@27930,42720 27930,42643.66 D9-ADJV.1@27938.66,42635 27938.66,42499.41 L3.2@27940,42498.07 27940,42290 28015,42215 28645,42215 28729,42299 C16.1@28729,42380 28729,42641 VR1.3@28665,42705 VR1.2@28565,42705 28565,43025 28490,43100 HD14.2@28390,43100 28395,43095 28395,43005 28305,42915 28080,42915 27990,43005 HD13.2@27990,43100
DI1: U4.83 U10.18 | length 1158.8
  Bottom Layer w15: U4.83@27005,39785 27290,39785 27550,40045 27550,40385 27475,40460 U10.18@27415,40460
DI2: U4.49 U10.17 | length 1114.1
  Bottom Layer w15: U4.49@26905,39885 26955,39835 27255,39835 27510,40090 27510,40355 27455,40410 U10.17@27415,40410
ECHO_FRONT: HW1.3 U4.37 | length 3400.1
  Top Layer w10: U4.37@25605,39580 U4.37@25605,39585
  Top Layer w15: v1(25250,39585) 25405,39585 25455,39535 25560,39535 U4.37@25605,39580
  Bottom Layer w15: HW1.3@23145,39570 23205,39570 23285,39650 23285,40025 23420,40160 24485,40160 24730,39915 24730,39620 24790,39560 25225,39560 v1(25250,39585)
ECHO_GRIP: HW3.3 U4.10 | length 4645
  Top Layer w15: v1(23155,37785) 23210,37730 25220,37730 25375,37885 v1(25375,38435) ; v1(25375,39185) 25375,39350 25410,39385 U4.10@25505,39385
  Bottom Layer w15: HW3.3@23145,38305 23070,38305 23015,38250 23015,37835 23065,37785 v1(23155,37785) ; v1(25375,38435) v1(25375,39185)
ECHO_REAR: HW2.3 U4.9 | length 2627.2
  Top Layer w15: v1(23510,38960) 24005,38960 24220,39175 v1(24405,39175) ; v1(24715,39175) 24755,39175 25110,39530 25400,39530 25445,39485 U4.9@25505,39485
  Bottom Layer w15: HW2.3@23145,38940 23165,38960 v1(23510,38960) ; v1(24405,39175) 24410,39180 24415,39175 v1(24715,39175)
EEP_SCL: IC2.6 R7.2 U4.42 | length 1467.7
  Top Layer w20: IC2.6@25500,41195 25430,41195 25415,41180 25415,40930 25435,40910 v1(25480,40910) R7.2@25575,40910
  Bottom Layer w15: v1(25480,40910) 25480,40650 25675,40455 25675,40115 25645,40085 U4.42@25605,40085
EEP_SDA: IC2.5 R8.2 U4.41 | length 1665.6
  Top Layer w15: R8.2@25575,40815 25575,40740 25700,40615 25700,40040 25645,39985 U4.41@25605,39985
  Top Layer w20: IC2.5@25500,41245 25405,41245 25370,41210 25370,40855 25410,40815 R8.2@25575,40815
ENC1_A: U4.69 U9.21 | length 1227.7
  Bottom Layer w10: U9.21@26573.7,39240 26620,39240 26635,39225 26635,38470 26670,38435 26955,38435 U4.69@27005,38385
ENC1_B: U4.64 U9.20 | length 1176.5
  Top Layer w15: v1(26685,38490) 26685,38415 26715,38385 U4.64@26905,38385
  Bottom Layer w10: U9.20@26573.7,39290 26620,39290 26660,39250 26660,38505 v1@26670,38495
  Bottom Layer w15: U9.20@26573.7,39290 U9.20@26578.7,39295
ENC2_A: U4.70 U9.19 | length 1238.9
  Bottom Layer w10: U9.19@26573.7,39340 26655,39340 26690,39305 26690,38859.71 26680,38849.71 26680,38555 26700,38535 26955,38535 U4.70@27005,38485
ENC2_B: U4.63 U9.18 | length 1196
  Top Layer w15: v1(26720,38585) 26720,38510 26745,38485 U4.63@26905,38485
  Bottom Layer w10: U9.18@26573.7,39390 26655,39390 26715,39330 26715,38856.42 26700,38841.42 26700,38605 v1(26720,38585)
ENC3_A: U4.71 U9.17 | length 1229.6
  Bottom Layer w10: U9.17@26573.7,39440 26665,39440 26740,39365 26740,38853.14 26720,38833.14 26720,38655 26740,38635 26955,38635 U4.71@27005,38585
ENC3_B: U4.62 U9.16 | length 1187.2
  Top Layer w15: v1(26780,38685) 26780,38610 26805,38585 U4.62@26905,38585
  Bottom Layer w10: U9.16@26573.7,39490 26680,39490 26765,39405 26765,38849.85 26750,38834.85 26750,38695 26760,38685 v1(26780,38685)
ENC4_A: U4.72 U9.15 | length 1188.3
  Bottom Layer w10: U9.15@26573.7,39540 26680,39540 26790,39430 26790,38846.57 26775,38831.57 26775,38778.43 26823.43,38730 26960,38730 U4.72@27005,38685
ENC4_B: U4.61 U9.14 | length 1139.6
  Top Layer w15: v1(26825,38795) 26825,38710 26850,38685 U4.61@26905,38685
  Bottom Layer w10: U9.14@26573.7,39590 26685,39590 26815,39460 26815,38815 26825,38805 v1(26825,38795)
ENC5_A: U4.73 U8.15 | length 515.6
  Top Layer w15: U4.73@27005,38785 27010,38780 27025,38780 27195,38610 U8.15@27448.15,38610
ENC5_B: U4.60 U8.14 | length 634.3
  Top Layer w15: U4.60@26905,38785 26952.5,38832.5 27047.5,38832.5 27220,38660 U8.14@27448.15,38660